# Altium PCB LM-003.PcbDoc (continued)
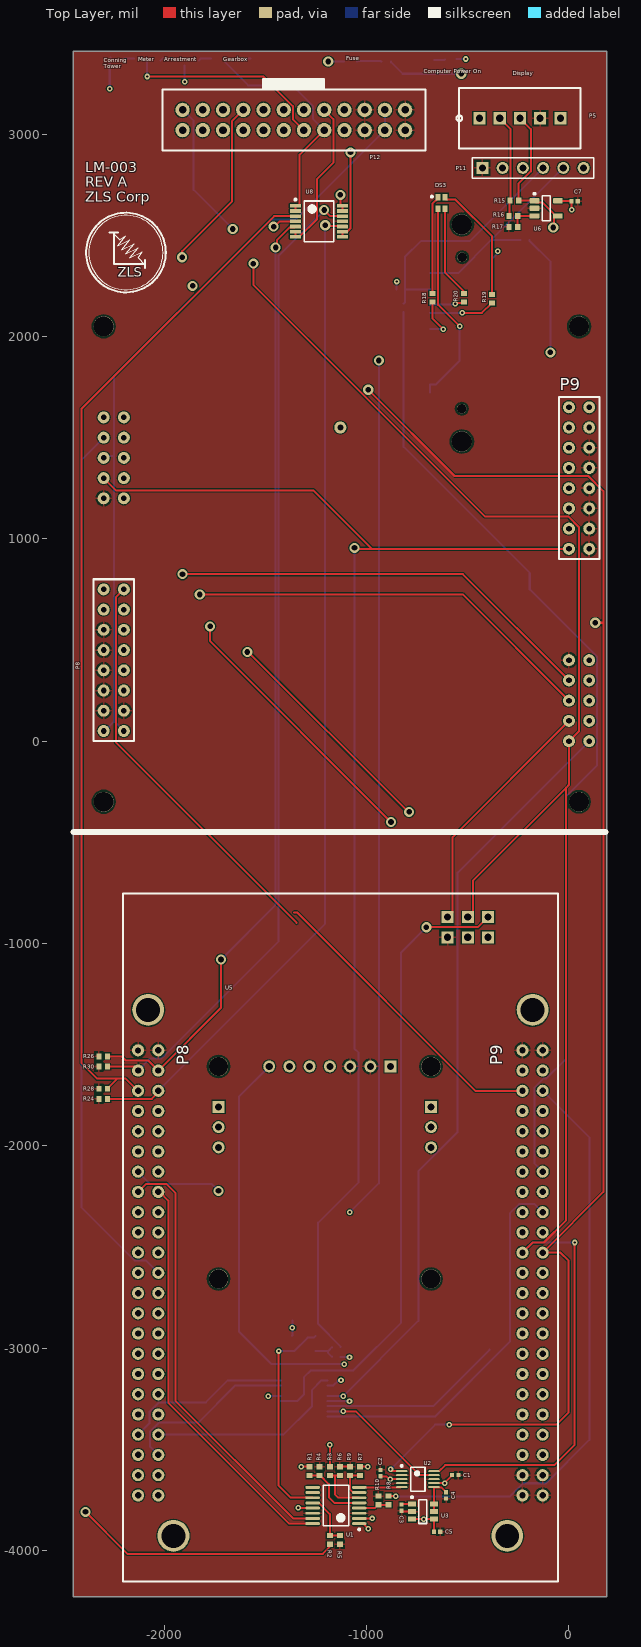
[diagram p0: Top Layer view]
## Footprints (in the part's own frame and the unit in brackets; to place one, negate y for a bottom-side part, rotate by r counter-clockwise, add the part's x,y. Pads: shape width x height; smd on the part's side, far side on the other; paste and mask are expansions set on the pad) (continued)
  silkscreen extent -1.5,-1.5 0.5,1.92, body extent -1.5,-1.5 1.5,1.5, height 4.45
U10+2_L [mm] "TSSOP, 10-Leads, Body 3x3mm, Pitch 0.5mm, IPC High Density"
  oval 1.45x0.25 smd: 1(-2.025,1) 2(-2.025,0.5) 3(-2.025,0) 4(-2.025,-0.5) 5(-2.025,-1) 6(2.025,-1) 7(2.025,-0.5) 8(2.025,0) 9(2.025,0.5) 10(2.025,1)
  silkscreen extent -2.15,-1.52 0.9,1.8, body extent -1.55,-1.55 1.55,1.55, height 1.1

## Part data
C1 C2 C3 C4 C5 C6 C7: library part CMP-1034-00252-1, "CAP CER 0.1UF 10V X7R 0402", Manufacturer="Murata Electronics North America", Manufacturer Part Number=GRM155R71A104KA01D, Operating Temperature="-55°C ~ 125°C", Package / Case="0402 (1005 Metric)", Ratings=-, Supplier Part Number 1=490-6321-1-ND, Temperature Coefficient=X7R, Tolerance=±10%, Voltage - Rated=10V, Applications="General Purpose", Category=Capacitors, ComponentLink1Description=http://www.murata.com/~/media/webrenewal/support/library/catalog/products/capacitor/mlcc/c02e.ashx?la=en-us, ComponentLink1URL=http://www.murata.com/~/media/webrenewal/support/library/catalog/products/capacitor/mlcc/c02e.ashx?la=en-us, Features=-, Height - Seated (Max)=-, Lead Spacing=-, Mounting Type="Surface Mount, MLCC", Packaging="Cut Tape (CT)", Part Status=Active, Pricing 1="1=0.1, 10=0.014, 100=0.0063, 500=0.00446, 1000=0.00351, 2500=0.00319, 5000=0.00293 (USD)", RoHS="RoHS Compliant", Size / Dimension="0.039\" L x 0.020\" W (1.00mm x 0.50mm)", Stock 1=2920395, Supplier 1=Digi-Key, Thickness (Max)="0.022\" (0.55mm)"
DS1 DS2: library part "LED A/K", Case/Package=0805, Case Code (Metric)=2012, Colour=Green, Forward Current=20mA, Forward Voltage=2V, Lens Colour=Colorless, Manufacturer="Vishay / Lite-On", Manufacturer Part Number=LTST-S220KGKT, Max Operating Temperature=85°C, Min Operating Temperature=-55°C, Package Quantity=4000, Power Dissipation=75W, Power Rating=75mW, Supplier Part Number 1=160-1468-1-ND, Case Code (Imperial)=0805, ComponentLink1Description=https://datasheet.ciiva.com/11775/0900766b80dc0b70-11775441.pdf, ComponentLink1URL=https://datasheet.ciiva.com/11775/0900766b80dc0b70-11775441.pdf, ComponentLink2Description=https://datasheet.ciiva.com/2110/s-110-ltst-s220kgkt-2110069.pdf, ComponentLink2URL=https://datasheet.ciiva.com/2110/s-110-ltst-s220kgkt-2110069.pdf, ComponentLink3Description=https://datasheet.ciiva.com/2110/s-110-ltst-s220kgkt-2110070.pdf, ComponentLink3URL=https://datasheet.ciiva.com/2110/s-110-ltst-s220kgkt-2110070.pdf, ComponentLink4Description=https://datasheet.ciiva.com/12400/100-ltst-s220kgkt-59602-12400886.pdf, ComponentLink4URL=https://datasheet.ciiva.com/12400/100-ltst-s220kgkt-59602-12400886.pdf, ComponentLink5Description=https://datasheet.ciiva.com/2110/s-110-ltst-s220kgkt-2110071.pdf, ComponentLink5URL=https://datasheet.ciiva.com/2110/s-110-ltst-s220kgkt-2110071.pdf, ComponentLink6Description=https://datasheet.ciiva.com/16379/ltst-s220kgkt-16379082.pdf, ComponentLink6URL=https://datasheet.ciiva.com/16379/ltst-s220kgkt-16379082.pdf, Depth=0.6mm, Dominant Wavelength=568nm, Height=0.6mm, Illumination Colour=Green, Lead Free="Lead Free", Length=2.1mm, Lens Style=Diffused,Colorless, Lens Transparency=Clear, Luminous Intensity=35mcd, Mount="Surface Mount", Number of Elements=1, Number of LEDs=1, Number of Pins=2, Packaging="Tape and Reel", Pricing 1="1=0.29, 10=0.212, 25=0.1564, 100=0.1117, 250=0.0759, 500=0.067, 1000=0.0525 (USD)", Radiation Hardening=No, Stock 1=74800, Supplier 1=Digi-Key, Test Current=20mA, Viewing Angle=130°, Wavelength=574nm, Width=1mm
  DS2: ComponentLink7Description=http://www.farnell.com/cad/2124774.pdf, ComponentLink7URL=http://www.farnell.com/cad/2124774.pdf, ComponentLink8Description=http://www.farnell.com/datasheets/693084.pdf, ComponentLink8URL=http://www.farnell.com/datasheets/693084.pdf, Pricing 2="1=0.325, 10=0.317, 100=0.23, 200=0.228, 400=0.182, 900=0.147, 3000=0.114, 9000=0.107 (GBP)", RoHS=YES, Stock 2=2271, Supplier 2=Farnell, Supplier Part Number 2=2062310
DS3: library part CMP-2000-05201-1, "LED Tri-Color Blue/Green/Red, 5 V, -20 to 80 degC, 4-Pin SMD, RoHS, Tape and Reel", Forward Voltage=2.4(Red)V,3.9(Blue)V,3.9(Green)V, LED Colours=Blue,Green,Red, Lens Colour=Clear, Manufacturer=Lite-On, Datasheet URL=http://download.siliconexpert.com/pdfs/2014/3/25/6/41/6/148/lot_/manual/s_110_ltst-c19he1wt.pdf, Datasheet Version="Rev. B, 10/2013", Dimensions=1.6x1.6x0.35mm, Dominant Wavelength=470/525/624nm, LED Material=AlInGaP(Red),InGaN(Blue),InGaN(Green), Lens Shape=Rectangle, Luminous Intensity=180mcd,450mcd, Manufacturer URL=http://www.us.liteon.com/, Mounting Type=SurfaceMount, Number of LEDs=3, Number of Pins=3, Series=LTST, Viewing Angle=130deg
DS4 DS5 DS6 DS7: library part "LED A/K", Case/Package=0805, Case Code (Metric)=2012, Colour=Red, Forward Current=20mA, Forward Voltage=2V, Lens Colour=Colorless, Manufacturer="Vishay / Lite-On", Manufacturer Part Number=LTST-S220KRKT, Max Operating Temperature=85°C, Min Operating Temperature=-55°C, Package Quantity=4000, Power Dissipation=75mW, Supplier Part Number 1=160-1469-1-ND, Case Code (Imperial)=0805, ComponentLink1Description=https://datasheet.ciiva.com/2110/s-110-ltst-s220krkt-2110132.pdf, ComponentLink1URL=https://datasheet.ciiva.com/2110/s-110-ltst-s220krkt-2110132.pdf, ComponentLink2Description=https://datasheet.ciiva.com/2110/s-110-ltst-s220krkt-2110133.pdf, ComponentLink2URL=https://datasheet.ciiva.com/2110/s-110-ltst-s220krkt-2110133.pdf, ComponentLink3Description=https://datasheet.ciiva.com/2110/s-110-ltst-s220krkt-2110134.pdf, ComponentLink3URL=https://datasheet.ciiva.com/2110/s-110-ltst-s220krkt-2110134.pdf, ComponentLink4Description=https://datasheet.ciiva.com/12403/lite-on-ltst-s220krkt-187389-12403798.pdf, ComponentLink4URL=https://datasheet.ciiva.com/12403/lite-on-ltst-s220krkt-187389-12403798.pdf, ComponentLink5Description=https://datasheet.ciiva.com/16345/lite-onltst-s220krkt-16345511.pdf, ComponentLink5URL=https://datasheet.ciiva.com/16345/lite-onltst-s220krkt-16345511.pdf, ComponentLink6Description=https://datasheet.ciiva.com/15118/getdatasheetpartid-225752-15118120.pdf, ComponentLink6URL=https://datasheet.ciiva.com/15118/getdatasheetpartid-225752-15118120.pdf, ComponentLink7Description=https://datasheet.ciiva.com/14633/0900766b80dc0b76-14633737.pdf, ComponentLink7URL=https://datasheet.ciiva.com/14633/0900766b80dc0b76-14633737.pdf, ComponentLink8Description=https://datasheet.ciiva.com/11775/0900766b80dc0b76-11775439.pdf, ComponentLink8URL=https://datasheet.ciiva.com/11775/0900766b80dc0b76-11775439.pdf, Depth=0.6mm, Dominant Wavelength=631nm, Height=0.6mm, Illumination Colour=Red, Lead Free="Lead Free", Length=2.1mm, Lens Style=Diffused,Colorless, Lens Transparency=Clear, Luminous Intensity=54mcd, Mount="Surface Mount", Number of Elements=1, Number of LEDs=1, Number of Pins=2, Packaging="Tape and Reel", Power Rating=75mW, Pricing 1="1=0.31, 10=0.225, 25=0.1656, 100=0.1183, 250=0.0804, 500=0.071, 1000=0.0556 (USD)", Radiation Hardening=No, Stock 1=108191, Supplier 1=Digi-Key, Test Current=20mA, Viewing Angle=130°, Wavelength=639nm, Width=1mm
P1: Manufacturer=SAMTEC, Manufacturer Part Number=IPL1-103-01-F-D-K, Supplier Part Number 1=51P2678, ComponentLink1Description=https://webassistants.partcommunity.com/23d-libs/samtec/search/resolve.html?EMAIL=mysamtec@samtec.com&PN=HTSW-114-05-F-D, ComponentLink1URL=https://webassistants.partcommunity.com/23d-libs/samtec/search/resolve.html?EMAIL=mysamtec@samtec.com&PN=HTSW-114-05-F-D, Pricing 1="1=1.8, 5000=1.56, 10000=1.46 (USD)", Stock 1=0, Supplier 1=Newark
P2 P4: "Header, 3-Pin", LatestRevisionDate=17-Jul-2002, LatestRevisionNote="Re-released for DXP Platform.", Publisher="Altium Limited"
P3: "Header, 7-Pin", LatestRevisionDate=17-Jul-2002, LatestRevisionNote="Re-released for DXP Platform.", Publisher="Altium Limited"
P5: Supplier Part Number 1=99R3297, Supplier 1=Newark
P6 P7: "CONN RCPT .100\" 10POS DUAL GOLD", Current Rating=-, Insulation Color=Black, Manufacturer="Samtec Inc.", Operating Temperature="-55°C ~ 125°C", Supplier Part Number 1=SAM1088-05-ND, Applications=-, Category="Connectors, Interconnects", ComponentLink1Description=http://suddendocs.samtec.com/prints/slw-1xx-01-x-x-mkt.pdf, ComponentLink1URL=http://suddendocs.samtec.com/prints/slw-1xx-01-x-x-mkt.pdf, Connector Type=Receptacle, Contact Finish - Mating=Gold, Contact Finish - Post=Gold, Contact Finish Thickness - Mating="20µin (0.51µm)", Contact Finish Thickness - Post="3µin (0.08µm)", Contact Length - Post="0.115\" (2.92mm)", Contact Material="Phosphor Bronze", Contact Shape=Square, Contact Type=Forked, Fastening Type=Push-Pull, Features=-, Ingress Protection=-, Insulation Height="0.180\" (4.57mm)", Insulation Material="Polyester, Glass Filled", Manufacturer Part Number=SLW-105-01-G-D, Mated Stacking Heights=6.09mm, Material Flammability Rating=-, Mounting Type="Through Hole", Number of Positions=10, Number of Positions Loaded=All, Packaging=Bulk, Part Status=Active, Pitch - Mating="0.100\" (2.54mm)", Pricing 1="1=3.8, 10=3.401, 100=2.8012, 500=2.2143, 1000=1.90084, 5000=1.7341, 10000=1.6674 (USD)", RoHS="RoHS Compliant", Row Spacing - Mating="0.100\" (2.54mm)", Stock 1=203, Style="Board to Board", Supplier 1=Digi-Key, Termination=Solder, Voltage Rating=-
P11: library part "Header 6H", "CABLE USB SERIAL 3.3V 2MM HEADER", Manufacturer 1="FTDI, Future Technology Devices International Ltd", Manufacturer Part Number 1=TTL-232R-3V3-2MM, Supplier Part Number 1=768-1095-ND, Category 1="Cable Assemblies", ComponentLink1Description=http://www.ftdichip.com/Support/Documents/DataSheets/Cables/DS_TTL-232R_CABLES.pdf, ComponentLink1URL=http://www.ftdichip.com/Support/Documents/DataSheets/Cables/DS_TTL-232R_CABLES.pdf, Convert From (Adapter End)="USB - A, Plug", Convert To (Adapter End)="Rectangular Connector, Female Sockets, 8 pos (7 open), 2mm", Description 1="CABLE USB SERIAL 3.3V 2MM HEADER", Length="5.90' (1.80m)", Part Status=Active, Pricing 1="1=20, 10=18, 50=16.875 (USD)", RoHS 1="RoHS Compliant", Shielding=Unshielded, Stock 1=274, Supplier 1=Digi-Key, Usage="USB to TTL Serial 3.3V"
P12: "IPL1-112-01-F-D-K", Manufacturer=Samtec, Supplier Part Number 1=08W3504, ComponentLink1Description=https://datasheet.ciiva.com/9444/ipl1-9444389.pdf, ComponentLink1URL=https://datasheet.ciiva.com/9444/ipl1-9444389.pdf, Gender=Male, Manufacturer Part Number=IPL1-112-01-F-S-K, Mount="Through Hole", Number of Contacts=12, Orientation=Straight, Packaging=Bulk, Pitch=2.54mm, Radiation Hardening=No, Stock 2=0, Supplier 1=Newark, Supplier 2=Avnet, Supplier Part Number 2=IPL1-112-01-F-S-K, Termination=Solder
R1 R2 R3 R4 R5 R6 R7 R8 R9 R10 R11 R12 R13 R14 R15 R16 R17 R18 R19 R20 R21 R22 R23 R24 R25 R26 R27 R28 R29 R30 R31: library part CMP-1011-00651-1
U1 U7: library part CMP-0793-00136-1, "4.5 Ohm Ron, 8-Channel +/-5 V,+12 V, +5 V and +3.3 V Multiplexer, 16-pin SOP (RU-16), Tube", Manufacturer="Analog Devices", Bandwidth (Hz)="40M, 40M, 37M, 34M", Code_JEDEC=MO-153AB, ComponentLink1Description="Manufacturer URL", ComponentLink1URL=http://www.analog.com/en/index.html, ComponentLink2Description=Datasheet, ComponentLink2URL=http://www.analog.com/static/imported-files/data_sheets/ADG1608_1609.pdf, ComponentLink3Description="Package Specification", ComponentLink3URL=http:/www.analog.com/static/imported-files/packages/36244347913743854010197452789RU16.pdf, DatasheetVersion="Rev. 0", Max Analog Signal Range="0 to Vdd", Mounting Technology="Surface Mount", PackageDescription="16-Pin Thin Shrink Small Outline Package, Body 5 x 4.4 mm, Pitch 0.65 mm", PackageReference=RU-16, PackageVersion=Nov-02, Packing=Tube, PartNumber=ADG1608BRUZ, Ron (ohms)=4.4, t transition (s)=150n
U2: library part CMP-0249-00017-1, "16-Bit, +5V, 200ksps ADC with 10uA Shutdown, 10-Pin uMAX, -40°C to +85°C, Pb-Free, Tape and Reel", Code_JEDEC=MO-187-BA, ComponentLink1Description="Manufacturer URL", ComponentLink1URL=http://www.maxim-ic.com, ComponentLink2Description=Datasheet, ComponentLink2URL=http://datasheets.maxim-ic.com/en/ds/MAX11100.pdf, ComponentLink3Description="Package Specification", ComponentLink3URL=http://pdfserv.maxim-ic.com/package_dwgs/21-0061.PDF, DatasheetVersion="Rev 1, Jan-2012", PackageDescription="10-Pin Micro-MAX Thin Shrink Small Outline (uSOP), 3 x 3 x 0.85 mm Body, 0.5 mm Pitch, Pb-Free", PackageReference=U10+2, PackageVersion="revL, 2008"
U3: "IC VREF SERIES 4.096V SOT23", Current - Supply=350µA, Manufacturer="Maxim Integrated", Operating Temperature="-40°C ~ 125°C (TA)", Package / Case=SOT-23-6, Supplier Part Number 1=MAX6070AAUT41+TCT-ND, Temperature Coefficient=6ppm/°C, Tolerance=±0.04%, Voltage - Input="4.3 V ~ 5.5 V", Voltage - Output (Min/Fixed)=4.096V, Category="Integrated Circuits (ICs)", ComponentLink1Description=https://datasheets.maximintegrated.com/en/ds/MAX6070-MAX6071.pdf, ComponentLink1URL=https://datasheets.maximintegrated.com/en/ds/MAX6070-MAX6071.pdf, Manufacturer Part Number=MAX6070AAUT41+T, Mounting Type="Surface Mount", Noise - 0.1Hz to 10Hz=9.6µVp-p, Noise - 10Hz to 10kHz=9µVrms, Output Type=Fixed, Packaging="Cut Tape (CT)", Part Status=Active, Pricing 1="1=3.41, 10=3.213, 25=2.5704, 50=2.4418, 100=2.2491, 250=2.13344, 500=2.05634 (USD)", Reference Type=Series, RoHS="RoHS Compliant", Stock 1=2623, Supplier 1=Digi-Key, Supplier Device Package=SOT-23-6
U4 U6: library part CMP-0809-00005-2, "Precision, Low Noise, Rail-to-Rail Output, Zero-Drift Operational Amplifier, 4 to 36 V, -40 to 125 degC, 5-pin SOT23 (DBV5), Green (RoHS & no Sb/Br)", Manufacturer="Texas Instruments", Rating=Catalog, Total Supply Voltage(Max)(+5V is 5, +/-5V is 10)=36, Total Supply Voltage(Min)(+5V is 5, +/-5V is 10)=4, CMRR(Min)(dB)=120, Code_JEDEC=MO-178, ComponentLink1Description="Manufacturer URL", ComponentLink1URL=http://www.ti.com/, ComponentLink2Description=Datasheet, ComponentLink2URL=http://www.ti.com/lit/ds/symlink/opa188.pdf, ComponentLink3Description="Package Specification", ComponentLink3URL=http://www.ti.com/litv/pdf/mpds018i, DatasheetVersion=SBOS642A, Eco-Plan="Green (RoHS & no Sb/Br)", GBW(Typ)(MHz)=2, Iq per channel(Max)(mA)=0.51, Mounting Technology="Surface Mount", Number of Channels=1, Offset Drift(Typ)(uV/C)=0.03, PackageDescription="5-Pin Plastic Small Outline, Body 1.6 x 2.9 mm, Pitch 0.95 mm", PackageReference=DBV0005A, PackageVersion="4073253-4/K, 03/2006", PartNumber=OPA188AIDBVR, Slew Rate(Typ)(V/us)=0.8, SubFamily="Zero Drift Precision Amplifier"
U5: library part Beaglebone_Black, "Beaglebone Black", Current Rating=-, Insulation Color=Black, Manufacturer="Molex, LLC", Manufacturer Part Number=0010897462, Material Flammability Rating="UL94 V-0", Supplier Part Number 1=WM50012-46-ND, Applications="Automotive, General Purpose, Lighting, Medical, Telecommunications", Category="Connectors, Interconnects", ComponentLink1Description=http://www.molex.com/pdm_docs/sd/010897041_sd.pdf, ComponentLink1URL=http://www.molex.com/pdm_docs/sd/010897041_sd.pdf, Connector Type="Header, Breakaway", Contact Finish - Mating=Gold, Contact Finish - Post=Tin, Contact Finish Thickness - Mating="15µin (0.38µm)", Contact Finish Thickness - Post="74.8µin (1.90µm)", Contact Length - Mating="0.240\" (6.10mm)", Contact Length - Post="0.107\" (2.71mm)", Contact Material="Copper Alloy", Contact Shape=Square, Contact Type="Male Pin", Fastening Type=-, Features=-, Ingress Protection=-, Insulation Height="0.090\" (2.29mm)", Insulation Material="Liquid Crystal Polymer (LCP), Glass Filled", Mated Stacking Heights=-, Mounting Type="Through Hole", Number of Positions=46, Number of Positions Loaded=All, Number of Rows=2, Operating Temperature=-, Overall Contact Length="0.437\" (11.10mm)", Packaging=Bulk, Part Status=Active, Pitch - Mating="0.100\" (2.54mm)", Pricing 1="1=7.65, 10=7.336, 25=6.698, 50=6.379, 100=6.0601, 250=5.4222, 500=5.10324 (USD)", RoHS="RoHS Compliant", Row Spacing - Mating="0.100\" (2.54mm)", Shrouding=Unshrouded, Stock 1=407, Style="Board to Board or Cable", Supplier 1=Digi-Key, Termination=Solder, Voltage Rating=-
U8: library part CMP-0809-00009-2, "0.03 uV/C, Low Noise, Rail-to-Rail Output, Zero-Drift Operational Amplifier, 4 to 36 V, -40 to 125 degC, 14-pin SOP (PW14), Green (RoHS & no Sb/Br)", Manufacturer="Texas Instruments", Rating=Catalog, Total Supply Voltage(Max)(+5V is 5, +/-5V is 10)=36, Total Supply Voltage(Min)(+5V is 5, +/-5V is 10)=4, CMRR(Min)(dB)=120, Code_JEDEC=MO-153, ComponentLink1Description="Manufacturer URL", ComponentLink1URL=http://www.ti.com/, ComponentLink2Description=Datasheet, ComponentLink2URL=http://www.ti.com/lit/ds/symlink/opa4188.pdf, ComponentLink3Description="Package Specification", ComponentLink3URL=http://www.ti.com/litv/pdf/mpds360, DatasheetVersion=SBOS641B, Eco-Plan="Green (RoHS & no Sb/Br)", GBW(Typ)(MHz)=2, Iq per channel(Max)(mA)=0.475, Mounting Technology="Surface Mount", Number of Channels=4, Offset Drift(Typ)(uV/C)=0.03, PackageDescription="14-Pin Plastic Small Outline, Body 5 x 4.4 mm, Pitch 0.65 mm", PackageReference=PW0014A, PackageVersion="4040064-3/G, 02/2011", PartId=1, PartNumber=OPA4188AIPWR, Slew Rate(Typ)(V/us)=0.8, SubFamily="High Supply Voltage Amplifier (>=30V), Low Noise Amp (<=10nV/rtHz), Low Offset Voltage Amplifier (<=500uV), Low Power Amp (<=500uA), Zero Drift Precision Amplifier"
P8 P9: Supplier 1=Digi-Key
P10: Supplier 1=Avnet, Supplier Part Number 1=FSI-120-03-G-D-E-AB

## Free pads (board coordinates)
  round 60 hole 30: 2(-1130,1550)
  round 98.42 hole 98.43 unplated: ""(-2300,-300) ""(-2300,2050) ""(50,-300) ""(50,2050)
  round 95 hole 95 unplated: ""(-1731.85,-2658.32) ""(-1731.85,-1608.32) ""(-681.85,-2658.32) ""(-681.85,-1608.32)

## Via types
v1: diameter 27.56, hole 11.81, Top Layer to Bottom Layer, 34 vias
v2: diameter 50, hole 28, Top Layer to Bottom Layer, 28 vias

## Nets (pads, with @x,y where several pads share a name; then routed paths per layer and width w, separated by ;. In a path a pad name is that pad's centre, name@x,y a point inside that pad or via, vN(x,y) a via of type N, cw(c..) or ccw(c..) an arc to the next point about the centre after c; other vN are vias at no path point)
5V-RC: U5.8-21
+3.3: C2.1 C6.1 C7.1 DS3.4 P1.1 P6.5 P9.5 P10.J2-3 P10.J2-4 P12.18 R1.2 U2.3 U4.5 U5.9-15 U6.5 U7.2 U7.13 | length 1509
  Top Layer w10: v1(-1323,-3586.5) -1322.83,-3586.67 -1282.17,-3586.67 R1.2 ; C2.1 -904,-3634.25 -888.75,-3649.5 v1(-884,-3649.5) -883.08,-3648.58 -826.8,-3648.58 U2.3 ; DS3.4 -646.73,2156.73 v1(-540,2050) ; U6.5 -53.21,2669.88 6.53,2669.88 C7.1@9.75,2666.66 ; C7.1 12.39,2668.06 12.39,2627.11 v1(13,2626.5)
  Bottom Layer w10: v1(-1486.12,-3237.51) -1485.63,-3237.02 -1424.6,-3237.02 U7.13 ; U4.5@-1370,-2940 -1367,-2937 v1(-1367,-2900) -1366.87,-2899.87 -1366.87,-2865.13 C6.1 ; U7.2 -1164.27,-3185.35 -1140.78,-3161.86 -1130.36,-3161.86 v1(-1127,-3158.5) ; P10.J2-3 P10.J2-4 -659.59,1761.49 -540,1881.08 v1(-540,2050)
"+3.3V Mon": R1.1 R4.2 U1.5 | length 339.6
  Top Layer w10: R1.1 R4.2 -1230.03,-3630.15 -1187,-3673.19 -1187,-3738.5 -1159.8,-3765.7 U1.5
+5: C1.1 C5.1 DS1.1 P3.1 P5.1 P6.3 P7.5 P9.13 P12.17 R7.2 R11.2 U1.2 U1.13 U2.7 U3.3 U3.4 U8.4 | length 656.7
  Top Layer w10: v2@-1457.27,2543 -1455.67,2543 -1429.55,2569.12 U8.4 ; v1(-1338,-3790.5) -1337.6,-3790.9 -1267.56,-3790.9 U1.13 ; U1.2 v1(-972,-3842.5) ; R7.2 -1031.83,-3586.67 -995.17,-3586.67 v1(-995,-3586.5) ; U3.3 U3.4 -667.87,-3908.38 C5.1 ; U2.7 -667.2,-3668.26 -615.24,-3668.26 v1(-615,-3668.5) -615,-3665.75 C1.1
  Bottom Layer w10: R11.2 v1(-1085,-3045) ; DS1.1@-555.19,3372.36 -554.33,3371.5 v1(-510,3371.5)
  other v1: -717,-3845.9
  other v2: -1460,2543
"+5 BBB": P8.2 R8.2 U5.9-5 U5.9-6 | length 6562.3
  Top Layer w10: P8.2 -2239.53,710.47 -2239.53,-5.87 -1346.46,-898.94 ; -1358.46,-847.44 -1343.47,-847.44 -462.4,-1728.5 -231.07,-1728.5 U5.9-6@-230.57,-1729 ; R8.2 -891.17,-3732.67 -857.83,-3732.67 v1(-857,-3733.5)
  Mid-Layer 2 w10: U5.9-6@-232.48,-1731.16 -229.82,-1728.5 -135.15,-1728.5 U5.9-5@-132.48,-1731.16
  Bottom Layer w10: v1(-857,-3733.5) -291.57,-3733.5 -226.57,-3668.5 -113.43,-3668.5 100.65,-3454.41 100.65,-1959.15 -127.34,-1731.16 U5.9-5@-132.48,-1731.16
"+5V BBB Mon": R8.1 R10.2 U1.4 | length 151.5
  Top Layer w10: U1.4 -960.11,-3791.3 -943.97,-3775.15 R10.2 R8.1
"+5V Mon": R7.1 R9.2 U1.7 | length 171.4
  Top Layer w10: U1.7 -1066.37,-3714.52 -1083.26,-3697.63 -1083.26,-3631.41 R9.2 R7.1
+9: P7.9 P8.10 | length 882.7
  Mid-Layer 1 w10: P8.10 -2160.47,389.53 -2160.47,1160.47 P7.9
+12: P7.6 P8.15 P8.16 P12.21 P12.22 R2.2 | length 9069.8
  Top Layer w10: v2(-2390,-3810) -2182.76,-4017.24 -1217,-4017.24 -1182,-3982.24 R2.2
  Mid-Layer 2 w10: v2(-2390,-3810) -2408.42,-3791.57 -2408.42,-58.43 P8.15
  Bottom Layer w10: P7.6 -2290.61,1409.39 -2260.61,1409.39 -2260,1410 -2250,1410 ; P8.15@-2295,50 -2250,95 -2250,1410 ; -2247.57,97.57 P8.16 ; P12.22 P12.21 -1352,2578 -1474.5,2578 -2250,1802.5 -2250,1410
"+12V Mon": R2.1 R5.2 U1.12 | length 263.7
  Top Layer w10: U1.12 -1237.63,-3765.7 -1182,-3821.33 R2.1 R5.2
-5: P7.8 P9.15 R12.1 | length 6619.4
  Top Layer w10: P7.8 -2239.53,1239.53 -1264.53,1239.53 -975,950 ; v2(-1060,955) -1055,950 -975,950 ; P9.15 -975,950
  Bottom Layer w10: R12.1 -1128.35,-2993.03 -1240,-2881.38 -1240,-2380 -1040,-2180 -1040,-1540 -1060,-1520 v2(-1060,955)
"-5V Mon": U1.11 U4.1 U4.4 | length 1070.2
  Top Layer w10: v1(-1435,-3015) -1435,-3680 -1375,-3740 -1267.27,-3740 U1.11
  Bottom Layer w10: v1(-1435,-3015) -1434.55,-3015.45 -1370.52,-3015.45 U4.4 -1359.24,-3015.9 -1292.24,-2948.89 -1261.72,-2948.89 U4.1
"ADC REF": C4.2 U2.6 U3.5 U3.6 | length 191
  Top Layer w10: U3.5 -667.87,-3688.46 -631.29,-3688.46 C4.2
"Arrestment Heater FET": R26.1 U5.8-3 U8.5 | length 4746.1
  Top Layer w10: R26.1 -2212,-1558.5 -2192,-1578.5 -2081.07,-1578.5 -2031.07,-1628.5 U5.8-3 -1720,-1318.5 v2(-1720,-1080) ; v2(-1450,2440) -1442.35,2447.65 -1442.35,2477.23 -1379.91,2539.67 -1356.08,2539.67 U8.5
  Bottom Layer w10: v2(-1720,-1080) -1450,-810 v2(-1450,2440)
"Arrestment Heater FET_Buff": DS5.1 P12.16 U8.6 U8.7 | length 1594.8
  Top Layer w10: U8.6@-1348.36,2521.8 U8.6 U8.7 -1333.52,2492.35 -1245,2580.87 -1245,2779.26 -1164.57,2859.7 -1164.57,3074.57 P12.16
  Mid-Layer 1 w10: v1(-1900,3260) -1350,3260 P12.16
  Bottom Layer w10: DS5.1@-1901.5,3340 -1901.5,3261.5 v1(-1900,3260)
"Batt Mon": R3.1 R6.2 U1.6 | length 270.4
  Top Layer w10: R3.1 -1157,-3630.15 ; R6.2 -1157,-3630.15 ; U1.6 -1140.39,-3740.11 -1157,-3723.5 -1157,-3630.15
"Battery Thermistor": P8.1
"Blue LED": P10.J2-14 R20.2 | length 177.5
  Top Layer w10: v1(-562,2161.5) -558.64,2164.86 -522.75,2164.86 R20.2@-516.11,2171.5
  Bottom Layer w10: P10.J2-14 -683.96,2158.49 -565.01,2158.49 v1(-562,2161.5)
"Conning Tower FET": R30.1 U5.8-4 U8.12 | length 4929
  Top Layer w10: R30.1 -2150,-1608.5 U5.8-4 ; v2(-1210,2625) -1179.71,2594.71 U8.12
  Bottom Layer w10: U5.8-4 -2070,-1568.5 -2013.43,-1568.5 -1435,-990.07 -1435,2400 v2(-1210,2625)
"Conning Tower FET_Buff": DS7.1 P12.14 U8.13 U8.14 | length 1747
  Top Layer w10: U8.14@-1140.55,2649.75 U8.14@-1136.69,2645.89 ; v2(-1130,2700) -1130,2649.75 -1126.14,2645.89 U8.14 U8.13
  Mid-Layer 2 w10: P12.14 -1255.43,3065.43 -1255.43,2825.43 v2(-1130,2700)
  +3.3V w10: v1(-2270,3225) -1415,3225 P12.14
  Bottom Layer w10: v1(-2270,3225) -2270,3375 DS7.1@-2265.75,3379.25
Cross_Green: P2.2 P12.3 | length 5397.3
  Top Layer w10: v2(-1774,567) -1774,494 v2(-880,-400)
  Mid-Layer 2 w10: P12.3 -1776,2986 -1776,573 v2@-1770,567 ; v2(-880,-400) -805,-475 -805,-1785.17 P2.2
Cross_Orange: P2.3 P12.1 pad.2 | length 5569.8
  Mid-Layer 2 w10: pad.2 -1130,-1616.07 -737.75,-2008.32 P2.3
  +3.3V w10: P12.1 -1697,2807 -1697,2117 pad.2
Cross_Yellow: P2.1 P12.5 | length 5250.1
  Top Layer w10: v2(-1590,440) -1585,440 -795,-350 v2(-790,-350)
  Mid-Layer 2 w10: P12.5 -1710,1783.85 -1590,1663.85 v2(-1590,440) ; v2@-790,-360 -790,-1700.17 P2.1
CS_Power_Supplies: U2.9 U7.7 | length 657.2
  Top Layer w10: v1(-1115.8,-3313.3) -1053.85,-3313.3 -738.34,-3628.81 U2.9
  Bottom Layer w10: U7.7 v1(-1115.8,-3313.3)
FB_CS0: P6.9 U7.4 | length 3819.4
  Bottom Layer w10: U7.4 -1193.3,-3237.02 -1116.53,-3237.02 v1(-1116.04,-3237.51) -744.35,-2865.82 -744.35,-2126.72 -550,-1932.37 -550,-650 P6.9
FB_MUX_A0: P6.6 U5.8-25 | length 5578.4
  Top Layer w10: v2(-1825,725) -525,725 P6.6
  Mid-Layer 2 w10: U5.8-25@-2030,-2722.5 -2024,-2722.5 -1825,-2523.5 v2(-1825,725)
FB_MUX_A1: P6.4 U5.8-26 | length 5802.7
  Top Layer w10: v2(-1910,825) -525,825 P6.4
  Mid-Layer 2 w10: U5.8-26@-2130,-2722.5 -2124,-2722.5 -2070,-2668.5 -2013.43,-2668.5 -1910,-2565.07 v2(-1910,825)
"Gearbox Heater FET": R28.1 U5.8-6 U8.3 | length 5090.7
  Top Layer w10: R28.1 -2280.35,-1716.85 -2232,-1668.5 ; U5.8-6@-2130.57,-1729 -2191.07,-1668.5 -2232,-1668.5 ; U8.3 -1457.79,2594.71 -2408.42,1644.07 -2408.42,-1592.07 -2332,-1668.5 -2232,-1668.5
"Gearbox Heater FET_Buff": DS6.1 P12.15 U8.1 U8.2 | length 1135.6
  Top Layer w10: U8.2 U8.1@-1352.22,2642.03 ; U8.1 -1335.47,2645.89 -1331.61,2649.75 -1331.61,2898.39 P12.15
  Bottom Layer w10: DS6.1@-1700,3360 -1700,3355.63 -1585.49,3241.12 -1366.87,3241.12 -1264.57,3138.82 -1264.57,3074.57 P12.15
GND: C1.2 C2.2 C3.2 C4.1 C5.2 C6.2 C7.2 P1.5 P3.2 P3.3 P5.4 P6.2 P7.10 P8.5 P8.7 P8.9 P8.11 P8.13 P8.14 P9.6 P9.8 P9.10 P9.12 P9.14 P9.16 P10.J2-1 P10.J2-2 P11.1 P12.19 P12.20 P12.23 P12.24 R4.1 R5.1 R6.1 R9.1 R10.1 R14.2 R17.1 R24.2 R25.2 R26.2 R27.2 R28.2 R29.2 R30.2 R31.2 U1.3 U1.14 U2.2 U2.4 U2.8 U3.2 U4.2 U5.8-1 U5.8-2 U5.9-1 U5.9-2 U5.9-43 U5.9-44 U5.9-45 U5.9-46 U6.2 U7.3 U7.14 U8.11 | length 102.6
  Top Layer w10: R6.1 R9.1 ; C3.2 -822.75,-3808.5 U3.2
GPIO2_6: U5.8-45
"GPIO 1-28": U5.9-12
"Green LED": P10.J2-13 R19.2 | length 327.2
  Top Layer w10: v1(-527,2116.5) -430.31,2116.5 -381.97,2164.85 R19.2
  Bottom Layer w10: P10.J2-13 -686.76,2116.29 -527.21,2116.29 v1(-527,2116.5)
Heartbeat: U5.9-42
IMU_CS0: P1.2 U7.12 | length 3136.7
  Top Layer w10: v2(-705,-920) -450,-920 P1.2
  Bottom Layer w10: U7.12 -1342.12,-3262.12 -1310,-3230 -1310,-3145 -1275,-3110 -1065,-3110 -830,-2875 -830,-1045 v2(-705,-920)
Long_Green: P4.2 P12.4 | length 5102.1
  Mid-Layer 1 w10: v2(-1860,2250) -1860,-1780.17 P4.2
  Mid-Layer 2 w10: v2(-1860,2250) -1860,3070 P12.4
Long_Orange: P4.3 P12.2 | length 5260
  Mid-Layer 1 w10: P4.3 -1664,-1940.47 -1664,2529.5 v2(-1662,2531.5)
  Bottom Layer w10: P12.2 -1855.43,3065.43 -1855.43,2724.93 v2(-1662,2531.5)
Long_Yellow: P4.1 P12.6 | length 5016.4
  Mid-Layer 2 w10: P4.1 -1660,-1736.47 -1660,1675 -1755.43,1770.43 -1755.43,3074.57 P12.6
"Meter Heater FET": R24.1 U5.8-5 U8.10 | length 4979.6
  Top Layer w10: R24.1 -2062,-1768.5 -2030,-1736.5 U5.8-5 ; v2(-1205,2550) -1201.76,2546.76 -1123.17,2546.76 U8.10
  Bottom Layer w10: U5.8-5 -1205,-903.5 v2(-1205,2550)
"Meter Heater FET_Buff": DS4.1 P12.13 U8.8 U8.9 | length 1727.6
  Top Layer w10: v1(-2085,3285) -1510.75,3285 -1364.57,3138.82 -1364.57,3074.57 P12.13 ; U8.8 U8.9 -1116.08,2521.8 -1092.25,2521.8 -1080,2534.05 v2(-1080,2910)
  Mid-Layer 1 w10: P12.13 -1200,2910 v2(-1080,2910)
  Bottom Layer w10: v1(-2085,3285) -2085,3361.5 DS4.1
"MUX A2": U5.8-41 U7.15 | length 874.5
  Bottom Layer w10: U5.8-41@-2032.48,-3531.16 -2032.48,-3526.02 -2070,-3488.5 -2070,-3411.93 -2026.57,-3368.5 -1832.19,-3368.5 -1649.04,-3185.35 U7.15
"MUX B2": U5.8-44
"MUX D2": U1.15 U5.8-16 | length 2166.1
  Top Layer w10: U5.8-16 -2090,-2188.5 -1991,-2188.5 -1946,-2233.5 -1946,-3260.5 -1364.02,-3842.48 U1.15
MUX_A0: U5.8-39 U7.1 | length 998
  Bottom Layer w10: U5.8-39@-2032.48,-3431.16 -2029.82,-3428.5 -1412,-3428.5 -1270,-3286.5 -1270,-3206.43 -1223.32,-3159.76 U7.1
MUX_A1: U5.8-40 U7.16 | length 854
  Bottom Layer w10: U5.8-40@-2132.48,-3431.16 -2132.48,-3430.98 -2073.5,-3372 -2073.5,-3315.43 -2026.57,-3268.5 -1794.99,-3268.5 -1686.24,-3159.76 U7.16
MUX_B0: U5.8-42
MUX_B1: U5.8-43
MUX_D0: U1.1 U5.8-14 | length 2672.5
  Top Layer w10: U1.1 -1017.43,-3868.07 v1(-992,-3893.5)
  Mid-Layer 1 w10: v2(-1732,-2223.5) -1632,-2323.5 -1632,-3598.5 -1337,-3893.5 v1(-992,-3893.5)
  Bottom Layer w10: U5.8-14 -2130,-2130.5 -2072,-2188.5 -1767,-2188.5 v2(-1732,-2223.5)
MUX_D1: U1.16 U5.8-15 | length 2027.5
  Top Layer w10: U5.8-15 -2023.5,-2228.5 -1980.5,-2271.5 -1980.5,-3271 -1383.43,-3868.07 U1.16
NetC3_1: C3.1 U3.1 | length 51.6
  Top Layer w10: C3.1 -826.17,-3771.93 -776.96,-3771.93 U3.1
NetDS1_2: DS1.2 R14.1 | length 55.3
  Bottom Layer w10: R14.1 -616.15,3366.5 DS1.2
NetDS2_2: DS2.2 R13.1 | length 123.9
  Bottom Layer w10: DS2.2 -1046,3361.5 -929.15,3361.5 R13.1@-926.65,3359
NetDS3_1: DS3.1 R18.1 | length 487.1
  Top Layer w10: R18.1 -675,2656.34 -646.73,2684.61 DS3.1
NetDS3_2: DS3.2 R19.1 | length 597.7
  Top Layer w10: DS3.2 -613.27,2684.61 -605.47,2676.81 -561.09,2676.81 -380,2495.72 R19.1@-380,2213.46
NetDS3_3: DS3.3 R20.1 | length 446.6
  Top Layer w10: DS3.3 -613.27,2316.73 R20.1@-520,2223.46
NetDS4_2: DS4.2 R25.1 | length 67
  Bottom Layer w10: DS4.2 -2010.35,3373.15 -1965.31,3373.15 -1965,3373.47 R25.1@-1955,3373.47
NetDS5_2: DS5.2 R27.1 | length 62
  Bottom Layer w10: DS5.2 -1820.35,3373.15 -1770.31,3373.15 R27.1@-1770,3373.47
NetDS6_2: DS6.2 R29.1 | length 67
  Bottom Layer w10: DS6.2 -1630.35,3373.15 -1585.31,3373.15 -1585,3373.47 R29.1@-1575,3373.47
NetDS7_2: DS7.2 R31.1 | length 62
  Bottom Layer w10: DS7.2@-2208.5,3365 -2200.35,3373.15 -2150.31,3373.15 R31.1@-2150,3373.47
NetP7_4: P7.4 U5.8-23 | length 4360.8
  Bottom Layer w10: P7.4 -2408.42,1391.58 -2408.42,-2306.64 -2146.57,-2568.5 -2090,-2568.5 -2036,-2622.5 U5.8-23@-2030,-2622.5
NetR11_1: R11.1 R12.2 U4.3 | length 130.4
  Bottom Layer w10: U4.3 -1253.03,-3015 -1191.65,-3015 ; R11.1 -1171.65,-3043.03 -1191.65,-3023.03 -1191.65,-3015 ; R12.2 -1171.65,-2996.97 -1187.84,-3013.16 -1189.81,-3013.16 -1191.65,-3015
NetR16_1: R16.1 R17.2 U6.3 | length 137.9
  Top Layer w10: R17.2 R16.1 -253.23,2596.39 -170.66,2596.39 U6.3
NetU1_8: U1.8 U2.5 | length 204.1
  Top Layer w10: U1.8 U2.5@-832.79,-3688.93
NetU5_8-28: U5.8-28
NetU5_9-9: U5.9-9
NetU5_9-16: U5.9-16
Power_IN: P9.2 R3.2 R13.2 | length 8847.5
  Top Layer w10: R3.2 v1(-1182,-3478.5)
  Mid-Layer 1 w10: v1(-1182,-3478.5) 78,-3478.5 168,-3388.5 168,1582 P9.2
  Mid-Layer 2 w10: v2(-532.48,3298.68) -532.48,2789.56 -464.6,2721.68 -464.6,2214.6 P9.2
  Bottom Layer w10: R13.2@-878.66,3359 -878.66,3354.85 -822.49,3298.68 -534.8,3298.68 v2@-532.48,3301
PWM1A: P6.1 U5.9-14 | length 2760
  Mid-Layer 2 w10: U5.9-14@-232.48,-2131.16 -232.48,-2130.98 -170,-2068.5 -113.43,-2068.5 170,-1785.07 170,330 P6.1
PWM2B: P7.7 U5.8-13 | length 3645.7
  Mid-Layer 2 w10: P7.7 -2048.5,1300 -1960,1211.5 -1960,-2058.5 U5.8-13
"Red LED": P10.J2-11 R18.2 | length 220.6
  Top Layer w10: R18.2 -675,2089.5 v1(-622,2036.5)
  Bottom Layer w10: P10.J2-11 -686.57,2036.89 -622.39,2036.89 v1(-622,2036.5)
Relay: P1.3 U5.9-27 | length 2044.9
  Mid-Layer 2 w10: P1.3 -500,-2515.07 -226.57,-2788.5 -170,-2788.5 U5.9-27
Relay_Out: DS2.1 P9.4 | length 2848.6
  Mid-Layer 2 w10: v2(-1190,3359) -543.31,3359 -382.48,3198.17 -382.48,2162.48 -104.68,1884.68 -78.78,1884.68 139.53,1666.37 139.53,1589.53 P9.4
  Bottom Layer w10: v2(-1190,3359) DS2.1
RTC_CS0: U7.6 | length 917.4
  Bottom Layer w10: U7.6 -671.21,-3287.71 -392,-3008.5
RXD: P10.J2-18 P11.5 R23.1 | length 1019.4
  Bottom Layer w10: P10.J2-18 -547.91,2313.09 -383.25,2477.75 ; R23.1 -239.9,2477.75 -383.25,2477.75 ; P11.5 -383.25,2477.75
Serial1_RX: P5.3 R15.2 U5.9-26 U6.1 U6.4 | length 6118.3
  Top Layer w10: P5.3 -188.47,3024.67 -188.47,2816.63 -248.35,2756.75 R15.2 -248.14,2671.29 -170.76,2671.29 -162.76,2663.28 -132.24,2663.28 U6.4@-65.24,2596.27 ; v2(-77.48,2538.68) -73.03,2543.13 -73.03,2588.48 U6.4@-65.24,2596.27 ; U6.4 U6.4@-65.24,2596.27
  Mid-Layer 1 w10: U5.9-26@-230.57,-2729 -230.57,-2727.93 -285,-2673.5 -285,2331.16 v2(-77.48,2538.68)
Serial1_TX: P5.2 R15.1 R16.2 U5.9-24 | length 6742.5
  Top Layer w10: P5.2@-342.4,3078.68 -342.4,3078.6 -288.47,3024.67 -288.47,2674.68 -294.15,2669 -294.15,2599 R16.2
  Mid-Layer 1 w10: P5.2 -215.33,2951.52 9.38,2951.52 111.53,2849.37 111.53,2202.34 -262,1828.81 -262,-1388.5 -182,-1468.5 -182,-2580.5 U5.9-24
SERIAL4_RX: R23.2 U5.9-11 | length 4566
  Mid-Layer 1 w10: U5.9-11@-130.57,-2029 -130.5,-2029 -90,-1988.5 -90,1919.5 v2(-92,1921.5)
  Bottom Layer w10: R23.2 -195.35,2474.53 -92,2371.19 v2(-92,1921.5)
SERIAL4_TX: R22.2 U5.9-13 | length 4797.3
  Bottom Layer w10: R22.2 -817,1454.63 -193.87,831.5 -193.87,749.77 139.53,416.37 139.53,-119.66 -14.21,-273.4 -14.21,-1569.28 -113.43,-1668.5 -126.57,-1668.5 -170,-1711.93 -170,-2088.5 -130.57,-2127.93 U5.9-13@-130.57,-2129
SPI0_CS0: U5.9-17 U7.8 | length 1888.8
  Bottom Layer w10: U7.8 -662.39,-3338.89 -292,-2968.5 -292,-2333.93 -246.57,-2288.5 -170,-2288.5 -132.48,-2326.02 U5.9-17@-132.48,-2331.16
SPI0_MISO: P1.6 P6.8 P12.7 U2.1 U5.9-21 | length 10545.1
  Top Layer w10: v2(-991.95,1736.45) -565.97,1310.47 95.43,1310.47 170,1235.9 170,585 ; v1(-882,-3598.5) -871.37,-3609.13 U2.1 ; P1.6 -575,-845 -575,-475 P6.8 ; v1(-592,-3378.5) -62,-3378.5 -2,-3318.5 -2,-2568.5 -42,-2528.5 U5.9-21 170,-2228.5 170,585 ; v2(130,585) 170,585
  Mid-Layer 2 w10: P12.7 -1610,2354.5 v2(-991.95,1736.45) ; P6.8 60.47,160.47 60.47,515.47 v2(130,585)
  Bottom Layer w10: v1(-882,-3598.5) -662,-3378.5 v1(-592,-3378.5)
SPI0_MOSI: U5.9-18
SPI0_SCLK: P1.4 P6.10 P12.10 U2.10 U5.9-22 | length 9594.8
  Top Layer w10: v2(-1560,2360) -1560,2255 -415.47,1110.47 -4.57,1110.47 49.5,1056.4 49.5,49.5 P6.10 0,-215.79 -14.21,-230 ; U2.10 -642.63,-3609.13 -612,-3578.5 -72,-3578.5 28,-3478.5 v1(28,-2478.5) ; P1.4 -475,-845 -475,-690.79 -14.21,-230 ; U5.9-22 -180,-2478.5 -123.43,-2478.5 -14.21,-2369.28 -14.21,-230
  Mid-Layer 2 w10: v2(-1560,2360) -1560,3070 P12.10
  Bottom Layer w10: U5.9-22 -180,-2478.5 v1(28,-2478.5)
SPI1_CS0: P3.7 U5.9-28 | length 2945.4
  Mid-Layer 1 w10: v1(-1110,-3080) -958.53,-3080 -707.03,-2828.5 U5.9-28
  Bottom Layer w10: P3.7 -1632,-1758.47 -1632,-2918.5 -1470.5,-3080 v1(-1110,-3080)
SPI1_MISO: P3.4 U5.9-29 | length 1984.3
  Mid-Layer 2 w10: P3.4 -1181.85,-2263.78 -568.35,-2877.28 -181.22,-2877.28 -132.48,-2926.02 U5.9-29@-132.48,-2931.16
SPI1_MOSI: P3.5 U5.9-30 | length 1935.1
  Mid-Layer 2 w10: P3.5 -1281.85,-2184.99 -538.34,-2928.5 -235.15,-2928.5 U5.9-30@-232.48,-2931.16
SPI1_SCLK: P3.6 U5.9-31 | length 2133.4
  Mid-Layer 2 w10: P3.6 -1381.85,-2106.2 -519.56,-2968.5 -190,-2968.5 -132.48,-3026.02 U5.9-31@-132.48,-3031.16
Sys_Pwr_Enable: P8.8 U5.8-22 | length 3017
  Mid-Layer 2 w10: P8.8 -2160.47,410.47 -2160.47,-1040.89 -2170,-1050.41 -2170,-2488.5 -2132.48,-2526.02 U5.8-22@-2132.48,-2531.16
Thermistor_CS0: P12.9 U7.5 | length 6767.3
  Mid-Layer 1 w10: v1(-1085,-3263) -1124.18,-3263 -1150.78,-3236.4 -1150.78,-2396.78 v1(-1083,-2329)
  Mid-Layer 2 w10: P12.9 -1510,2450.5 -941,1881.5 v2(-940,1881.5)
  Bottom Layer w10: U7.5 -1193.35,-3262.56 -1085.44,-3262.56 v1(-1085,-3263) ; v1(-1083,-2329) -940,-2186 -940,1879.18 v2@-942.32,1881.5
"Thermistor_MUX A2": P12.12 U5.8-33 | length 6577.7
  Mid-Layer 1 w10: U5.8-33@-2032.48,-3131.16 -2032.48,-3126.02 -2070,-3088.5 -2070,-1444 -1977.57,-1351.57 -1977.57,2388.17 -1364.57,3001.18 -1364.57,3074.57 P12.12
Thermistor_MUX_A0: P12.8 U5.8-31 | length 6326.2
  Top Layer w10: v2(-1912,2391.5) -1912,2421.5 -1664.57,2668.93 -1664.57,3065.43 P12.8
  Mid-Layer 1 w10: U5.8-31@-2032.48,-3031.16 -2032.48,-3030.98 -1962.57,-2961.07 -1962.57,2017.43 -1912,2068 v2(-1912,2391.5)
Thermistor_MUX_A1: P12.11 U5.8-32 | length 6381.5
  Mid-Layer 1 w10: U5.8-32@-2132.48,-3031.16 -2132.48,-3026.02 -2170,-2988.5 -2170,-364.25 -1992.57,-186.82 -1992.57,2437.43 P12.11
TXD: P10.J2-16 P11.4 R21.1 R22.1 | length 1221.8
  Bottom Layer w10: R22.1 -810.35,2169.81 R21.1 ; P10.J2-16 -688.36,2232.89 -808.95,2232.89 R21.1 ; P11.4 -489.5,2471.5 -732,2471.5 -810.35,2393.15 R21.1
VCC_2V85: P10.J3-20 R21.2 | length 641.2
  Mid-Layer 1 w10: v1(-852,2271.5) -502,2271.5 v1(-352,2421.5)
  Bottom Layer w10: R21.2 -852,2233.15 v1(-852,2271.5) ; P10.J3-20 -352,2411.74 v1(-352,2421.5)
ZH: P6.7 P9.11 | length 1156.9
  Mid-Layer 1 w10: P9.11 -39.53,1110.47 -39.53,183.63 -2.41,146.51 53.49,146.51 P6.7
pads on no net: P5.5 P7.1 P7.2 P7.3 P8.3 P8.4 P8.6 P8.12 P9.1 P9.3 P9.7 P9.9 P10.hole P10.J2-5 P10.J2-6 P10.J2-7 P10.J2-8 P10.J2-9 P10.J2-10 P10.J2-12 P10.J2-15 P10.J2-17 P10.J2-19 P10.J2-20 P10.J3-1 P10.J3-2 P10.J3-3 P10.J3-4 P10.J3-5 P10.J3-6 P10.J3-7 P10.J3-8 P10.J3-9 P10.J3-10 P10.J3-11 P10.J3-12 P10.J3-13 P10.J3-14 P10.J3-15 P10.J3-16 P10.J3-17 P10.J3-18 P10.J3-19 P11.2 P11.3 P11.6 U1.9 U1.10 U5. U5.8-7 U5.8-8 U5.8-9 U5.8-10 U5.8-11 U5.8-12 U5.8-17 U5.8-18 U5.8-19 U5.8-20 U5.8-24 U5.8-27 U5.8-29 U5.8-30 U5.8-34 U5.8-35 U5.8-36 U5.8-37 U5.8-38 U5.8-46 U5.9-3 U5.9-4 U5.9-7 U5.9-8 U5.9-10 U5.9-19 U5.9-20 U5.9-23 U5.9-25 U5.9-32 U5.9-33 U5.9-34 U5.9-35 U5.9-36 U5.9-37 U5.9-38 U5.9-39 U5.9-40 U5.9-41 U7.9 U7.10 U7.11
copper on no net: | length 3.8
  Top Layer w10: -235.15,-3228.5 -232.48,-3231.16

## Polygon pours and split planes (outlines as drawn)
GND on Bottom Layer "GND" (solid, pour order 79): -2450.48,-4229.17 187.52,-4229.17 187.52,3408.68 -2450.48,3408.68
+3.3 on +3.3V "+3.3V" (solid, pour order 87): -2450.48,3408.68 187.52,3408.68 187.52,-4229.64 -2450.48,-4229.64
+5 on +5V "+5V" (solid, pour order 93): -2450.48,3408.68 187.52,3408.68 187.52,-4229.64 -2450.48,-4229.64
GND on Top Layer "GND" (solid, pour order 95): -2450.48,-4229.17 187.52,-4229.17 187.52,3410 -2450.48,3410

## Silkscreen, mask and mechanical layers (free items; w line width, h text height)
Top Overlay:
  circle w3.94: c-2190,2415 r183.58
  circle w10: c-2190,2415 r196.85
  rectangle: -1512,3221.5 -1212,3271.5
  lines w1: -2444.57,-449.59 -2292.8,-449.59
  lines w3.94: -2250,2508 -2220,2478 -2190,2498 -2230,2448 -2170,2478 -2210,2428 -2150,2458 -2190,2408 -2130,2438 -2170,2388 -2110,2418 -2130,2388 -2100,2358
  lines w10: -2270,2513 -2230,2513 ; -2250,2508 -2250,2358 -2100,2358 ; -2095,2338 -2095,2378 ; -1512,3221.5 -1512,3271.5 -1212,3271.5 -1212,3221.5
  lines w30: -2449.59,-449.59 179.43,-449.59
  text "Fuse" at -1100,3366.5 h20
  text "Meter" at -2130,3360 h19.68
  text "Arrestment" at -2000,3360 h19.68
  text "Gearbox" at -1710,3360 h19.68
  text "Conning / Tower" at -2300,3325 h19.68
  text "Computer Power On" at -717,3301 h19.68
  text "Display" at -277.46,3290.05 h20
  text "LM-003" at -2390,2811.5 h50
  text "REV A" at -2390,2740 h50
  text "ZLS Corp" at -2390,2665 h50
  text "ZLS" at -2230,2295 h47.24
Bottom Overlay:
  lines w10: -2445.17,-450 -2293.39,-450 ; 28.65,-449.59 180.43,-449.59
  lines w30: -2450,-450 150,-450
  lines w39.37: -1831.85,-2822.73 -1831.85,-1508.32 -581.85,-1508.32 -581.85,-2822.73 -1831.85,-2822.73
  text "P9" at 60,-1410 h20
  text "P8" at -1930,-1440 h20
  text "2" at -2230,-1540 h20
  text "1" at -1940,-1540 h20
  text "2" at -330,-1540 h20
  text "1" at 40,-1540 h20
  text "Levels Board" at -821.85,-2058.32 h20
  text "20" at -2215,-2440.5 h20
  text "20" at -290,-2440 h20
  text "19" at 0,-2440 h20
  text "19" at -1920,-2450 h20
  text "40" at -290,-3437.5 h20
  text "40" at -2219,-3439.5 h20
  text "39" at -1910,-3440 h20
Mechanical 1:
  text "BBB Position  X: 1320 mil   Y:1600 mil" at -1710,-4310 h20

## Dimensions
-2450.48,3408.68 to -2300,-300 on Mechanical 1
-2300,-300 to -2445.17,-450 on Mechanical 1
50,2050 to -2300,2050 on Mechanical 1
-2300,2050 to -2300,-300 on Mechanical 1
50,-300 to -2200,50 on Mechanical 1
-2450.48,-4229.17 to -2529.02,3408.68 on Mechanical 1
187.52,3408.83 to -2450.48,3408.68 on Mechanical 1
50,-300 to 100,0 on Mechanical 1
-681.85,-2658.32 to -681.85,-1608.32 on Mechanical 1
-2300,1200 to -2300,-300 on Mechanical 1